# Altium PCB Calipso V2.0 REV2.0 (new origin).PcbDoc (part 4 of 5)
Units mm, origin at the board's own origin, x right, y up, seen from the top; angles counter-clockwise.
Board outline 192.5 x 156.5 mm, 2 copper layers (Top Layer, Bottom Layer); 458 components, 353 nets, 1610 pads, 1543 vias.
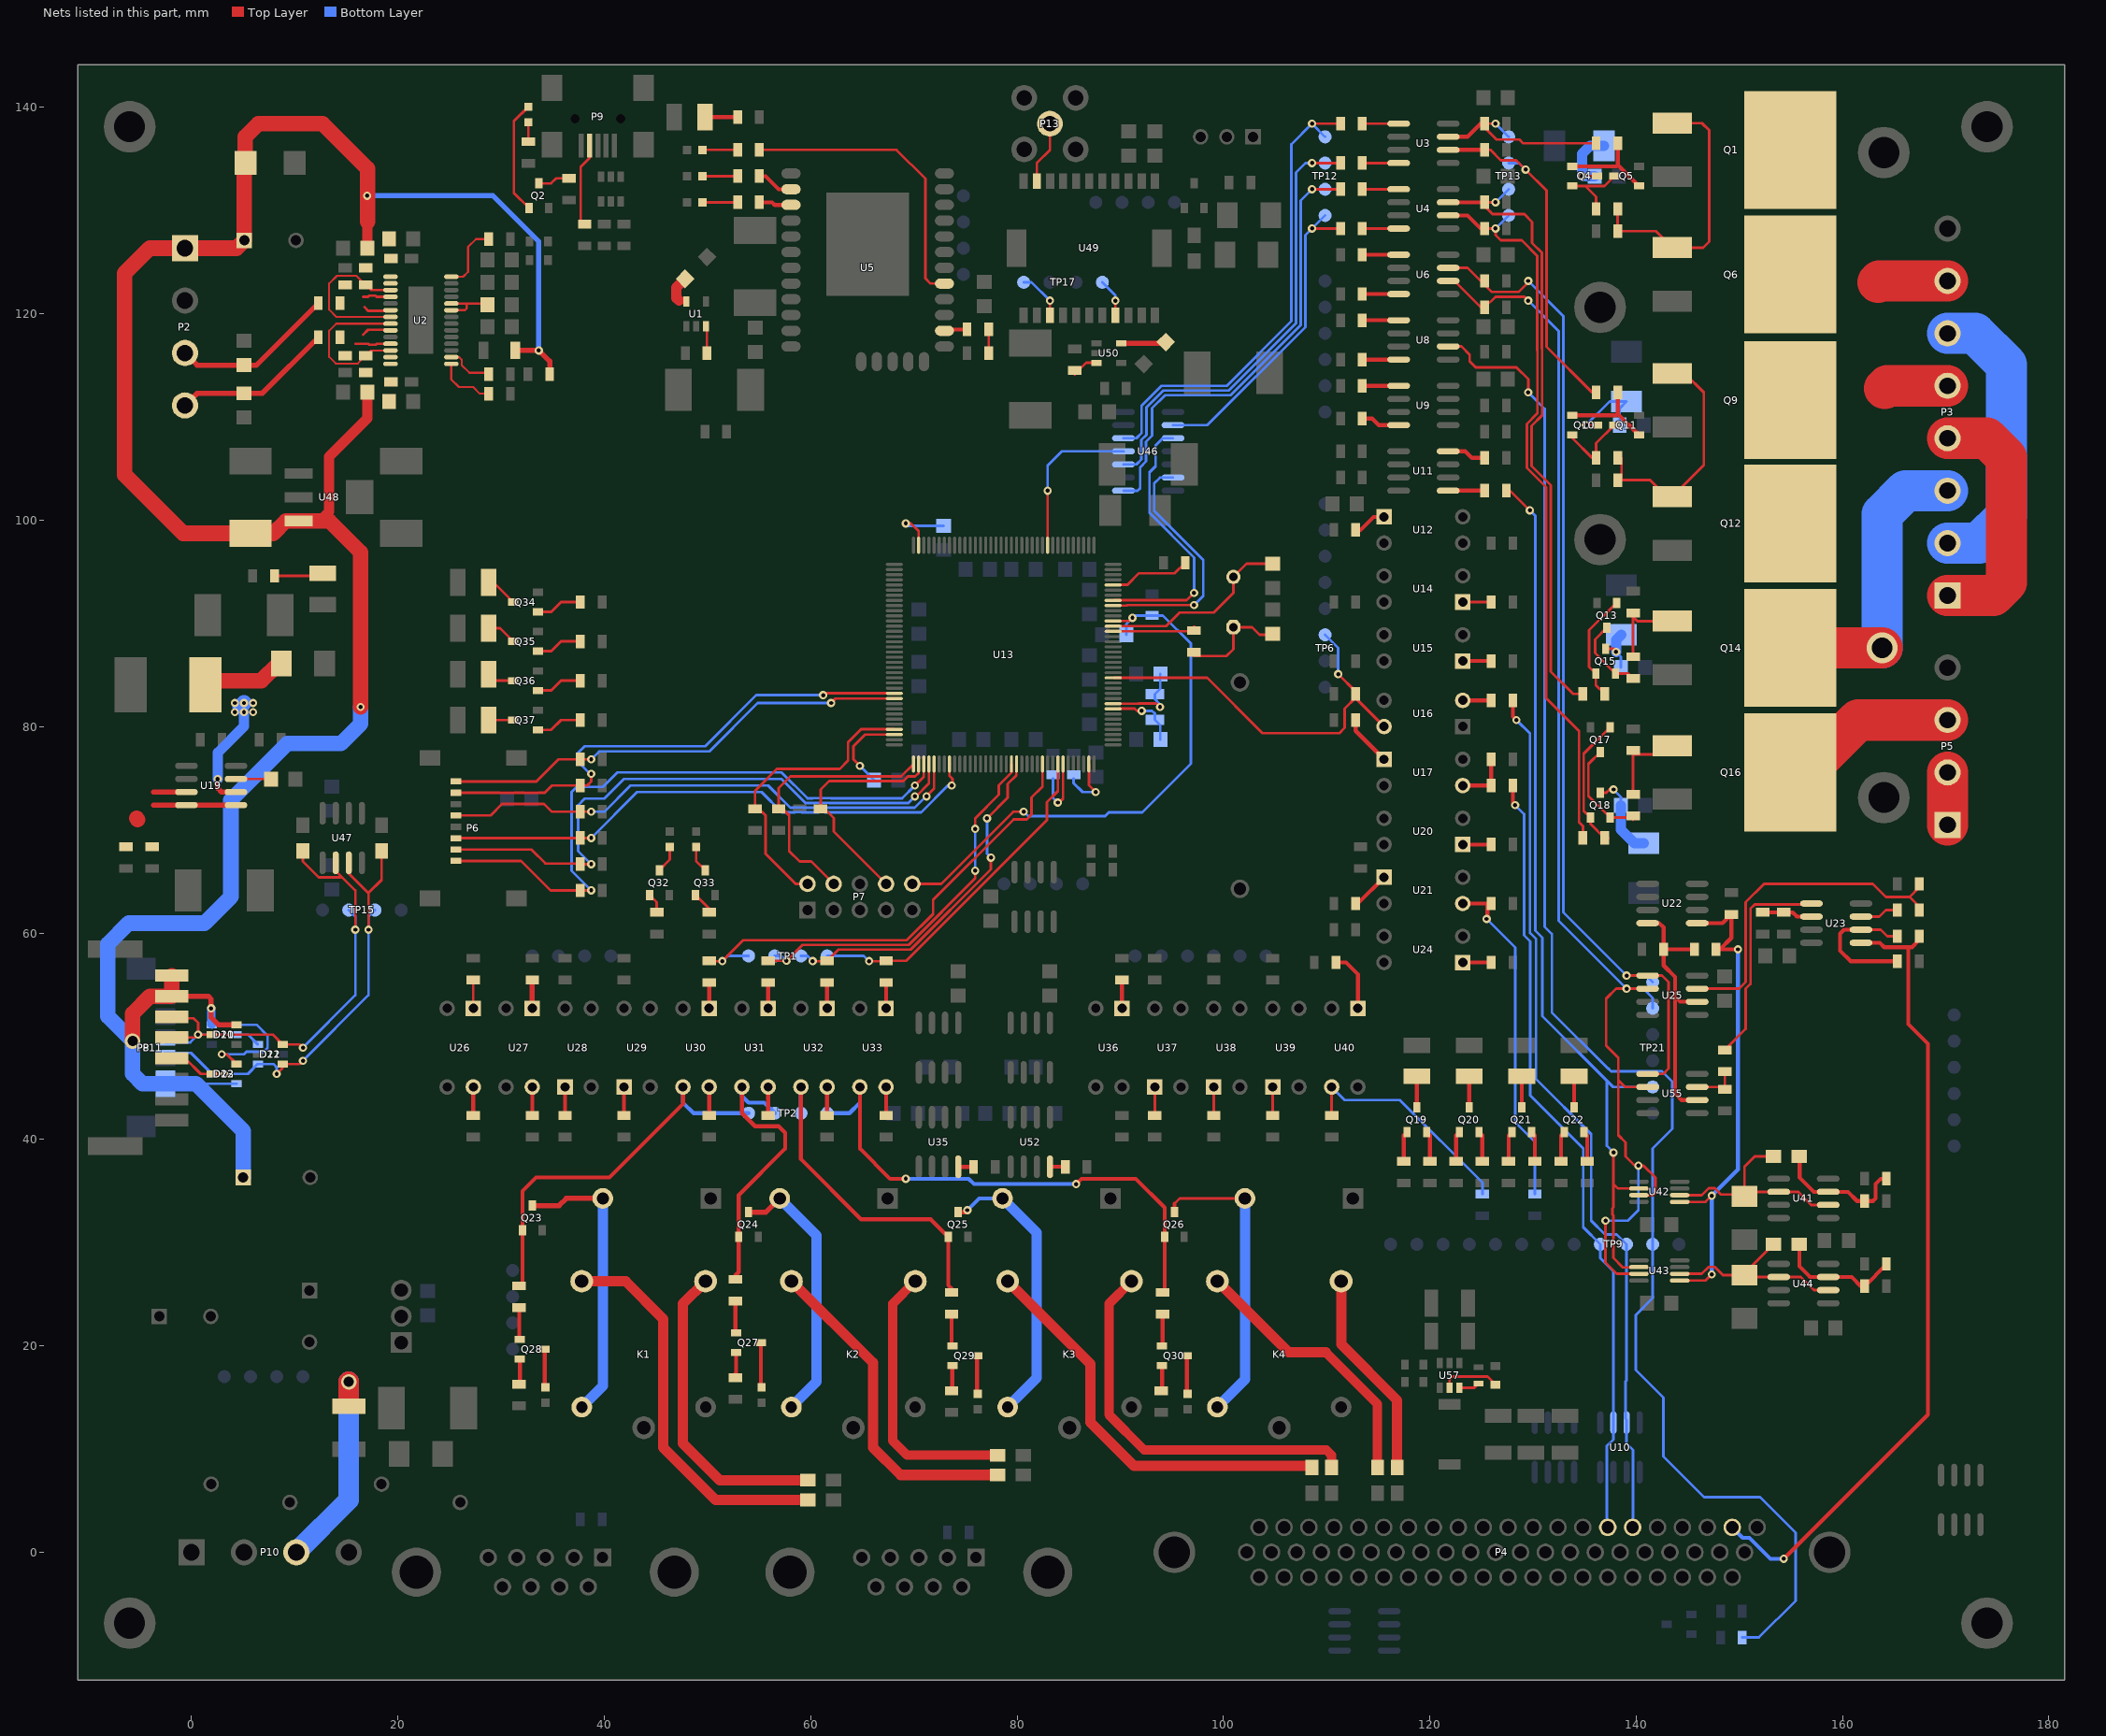
[diagram p4: the nets of this part, all layers, seen from the top]

## Via types
v1: diameter 0.8, hole 0.4, Top Layer to Bottom Layer, tented both sides, 1527 vias
v2: diameter 0.8, hole 0.4, Top Layer to Bottom Layer, 12 vias
v3: diameter 1.5, hole 1, Top Layer to Bottom Layer, 2 vias
v4: diameter 3, hole 2, Top Layer to Bottom Layer, 2 vias

## Nets (pads, with @x,y where several pads share a name; then routed paths per layer and width w, separated by ;. In a path a pad name is that pad's centre, name@x,y a point inside that pad or via, vN(x,y) a via of type N, cw(c..) or ccw(c..) an arc to the next point about the centre after c; other vN are vias at no path point) (continued)
LMP_SIMMER_ENABLE: P4.15 R61.2 TP9.3 U10.2 | length 76.3
  Top Layer w0.381: R61.2@128.05,74.295 128.05,72.61 v1(128.27,72.39)
  Bottom Layer w0.254: v1(128.27,72.39) 129.132,71.528 129.132,59.78 129.721,59.19 129.721,44.269 134.874,39.116 134.874,31.496 TP9.3@136.525,29.845 136.525,28.502 137.795,27.232 137.795,10.922 137.168,10.295 137.168,2.41 P4.15@137.242,2.41
LMP_SIMMER_SENSOR: P4.16 R52.2 TP9.4 U10.3 | length 85.8
  Top Layer w0.381: R52.2@128.05,82.55 128.05,80.992 v1(128.397,80.645) v1@128.425,80.673
  Bottom Layer w0.254: v1(128.397,80.645) 129.713,79.329 129.713,60.02 130.302,59.431 130.302,45.847 135.636,40.513 135.636,32.131 136.969,30.797 138.112,30.797 TP9.4@139.065,29.845 139.065,16.637 138.973,16.545 138.973,12.954 139.065,12.862 U10.3@139.065,12.56 139.065,10.541 139.692,9.914 139.692,2.41 P4.16@139.655,2.41
LMP_SIMSEN: R54.1 TP6.2 U13.14 U16.4 | length 39.5
  Top Layer w0.254: U13.14@89.34,84.745 98.417,84.745 103.787,79.375 111.252,79.375 111.76,79.883 111.76,81.76 R54.1@112.81,82.81 ; v1(111.125,85.09) 112.81,83.405 R54.1@112.81,83.185 R54.1@112.81,82.81 ; U16.4@115.57,80.01 112.81,82.77 R54.1@112.81,82.81
  Bottom Layer w0.254: TP6.2@109.855,88.9 111.125,87.63 v1(111.125,85.09)
LMP_VPROG: P4.20 R84.2 U23.1 | length 78.7
  Top Layer w0.384: v1(154.305,-0.635) 168.275,13.335 168.275,49.276 166.37,51.181 166.37,58.623 ; U23.1@161.735,59.055 U23.1@161.785,59.055 163.601,59.055 164.033,58.623 166.37,58.623 ; R84.2@167.42,59.69 167.42,59.315 166.728,58.623 166.37,58.623
  Bottom Layer w0.384: P4.20@149.225,2.492 P4.20@149.307,2.41 150.32,1.397 150.977,1.397 153.009,-0.635 v1(154.305,-0.635)
MCU_TDI: P7.8 R66.2 U13.110 | length 22.8
  Top Layer w0.254: P7.8@67.31,64.77 62.23,69.85 62.23,71.148 60.96,72.418 60.96,73.914 61.776,74.73 68.967,74.73 69.421,75.184 70.129,75.184 70.459,75.514 U13.110@70.459,76.383
MON_CLK: R22.1 TP21.2 U6.6 U25.2 U42.7 U43.7 U55.2 | length 130.1
  Top Layer w0.254: U6.6@121.78,123.19 122.4,123.19 124.94,120.65 125.349,120.65 126.365,121.666 129.159,121.666 v1(129.54,121.285) ; v1(137.033,32.131) 137.033,28.067 138.12,26.98 U43.7@140.265,26.98 ; U42.7@140.265,34.6 141.661,34.6 141.859,34.798 141.859,36.322 140.716,37.465 v1(140.208,37.465) 139.865,37.465 138.976,38.354 138.976,39.713 138.268,40.421 138.268,45.755 ; U55.2@141.11,45.085 138.938,45.085 138.268,45.755 ; U25.2@141.11,54.61 v1(139.065,54.61) 138.049,54.61 137.087,53.648 137.087,49.107 138.268,47.926 138.268,45.755
  Bottom Layer w0.254: v1(129.54,121.285) 132.5,118.325 132.5,61.175 v1(139.065,54.61) 140.716,54.61 141.605,53.721 TP21.2@141.605,52.705 ; v1(137.033,32.131) 139.192,32.131 140.208,33.147 v1(140.208,37.465)
MON_DOUT: R37.2 TP21.5 U42.6 U43.6 | length 97.6
  Top Layer w0.254: R37.2@127.79,102.87 v1(129.695,100.965) ; v1(137.795,38.735) 137.795,35.687 ; U43.6@140.265,27.63 140.229,27.594 138.719,27.594 137.795,28.518 137.795,32.627 137.703,32.719 137.703,33.321 137.795,33.413 137.795,35.687 ; U42.6@140.265,35.25 138.232,35.25 137.795,35.687
  Bottom Layer w0.254: v1(129.695,100.965) 130.23,100.43 130.23,60.235 130.918,59.547 130.918,51.936 ; v1(137.795,38.735) 137.146,39.384 137.146,45.708 130.918,51.936 ; TP21.5@141.605,45.085 137.769,45.085 130.918,51.936
MON_VREF: R77.1 R86.2 U22.1 U42.1 U43.1 | length 48.5
  Top Layer w0.254: U43.1@144.215,26.33 146.726,26.33 v1(147.32,26.924) ; U42.1@144.215,33.95 146.726,33.95 v1(147.32,34.544)
  Top Layer w0.384: U22.1@145.91,60.96 148.37,60.96 R77.1@149.225,61.815 149.225,59.535 148.11,58.42 v1(149.86,58.42)
  Bottom Layer w0.384: v1(147.32,26.924) v1(147.32,34.544) 149.86,37.084 v1(149.86,58.42)
NetBOOT1_1: BOOT1.1 R28.1 | length 2.3
  Top Layer w0.254: R28.1@77.25,116.205 BOOT1.1@77.25,118.491
NetBOOT1_2: BOOT1.2 U5.2 | length 2.2
  Top Layer w0.384: U5.2@72.967,118.364 73.094,118.491 BOOT1.2@75.15,118.491
NetC9_1: C9.1 U2.17 U2.21 | length 15.6
  Top Layer w0.2: U2.21@19.275,119.705 14.026,119.705 13.335,120.396 13.335,122.936 14.097,123.698 15.986,123.698 C9.1@16.875,122.809 17.379,122.305 U2.17@19.275,122.305
NetC9_2: C9.2 FB1.1 U2.18 U2.20 | length 5.4
  Top Layer w0.254: 16.637,121.666 17.133,121.666 17.225,121.758 17.827,121.758 17.93,121.655 U2.18@19.275,121.655 ; 16.764,120.65 17.11,120.304 19.275,120.304 U2.20@19.275,120.355
NetC15_1: C15.1 FB1.2 P2.3 | length 15.9
  Top Layer w0.5: P2.3@-0.635,116.205 0.54,115.03 C15.1@5.08,115.03 6.284,115.03 FB1.2@12.285,121.031
NetC18_1: C18.1 U2.22 U2.26 | length 15.5
  Top Layer w0.2: U2.26@19.275,116.455 17.379,116.455 C18.1@16.875,115.951 16.113,115.189 13.97,115.189 13.335,115.824 13.335,118.364 14.026,119.055 U2.22@19.275,119.055
NetC18_2: C18.2 FB2.1 U2.23 U2.25 | length 6.4
  Top Layer w0.254: 15.875,117.094 17.133,117.094 17.225,117.002 17.827,117.002 17.93,117.105 U2.25@19.275,117.105 ; 16.637,117.983 17.11,118.456 19.275,118.456 U2.23@19.275,118.405
NetC20_1: C20.1 FB2.2 P2.4 | length 15.7
  Top Layer w0.5: P2.4@-0.635,111.125 0.54,112.3 C20.1@5.08,112.3 6.856,112.3 FB2.2@12.285,117.729
NetC23_2: C23.2 U13.24 X1.2 | length 18.9
  Top Layer w0.254: U13.24@89.34,89.745 94.43,89.745 95.744,91.059 96.85,91.059 96.854,91.055 99.056,91.055 100.965,92.964 X1.2@100.965,94.515 102.24,95.79 C23.2@104.775,95.79
NetC24_2: C24.2 R45.2 X1.1 | length 10.4
  Top Layer w0.254: R45.2@97.155,86.84 100.302,86.84 100.965,87.503 X1.1@100.965,89.635 102.77,89.635 103.505,88.9 104.68,88.9 C24.2@104.775,88.995
NetC42_2: C42.2 L6.2 Q4.3 | length 7.3
  Top Layer w0.254: v1(134.747,133.35) Q4.3@136.201,133.35
  Bottom Layer w1: C42.2@135.985,133.35 v1(134.747,133.35) 134.747,135.509 135.509,136.271 L6.2@136.898,136.271
NetC43_2: C43.2 L7.1 Q10.3 | length 8.5
  Top Layer w0.254: v1(135.128,109.22) Q10.3@136.201,109.22
  Bottom Layer w0.254: v1(135.128,109.22) 137.422,111.514 L7.1@139.065,111.514 138.398,110.847 C43.2@138.398,109.22
NetC44_1: C44.1 U13.71 | length 6.7
  Top Layer w0.254: v1(69.215,99.695) 69.723,99.695 70.459,98.959 U13.71@70.459,97.583
  Bottom Layer w0.254: v1(69.215,99.695) 69.437,99.473 C44.1@72.898,99.473
NetC53_2: C53.2 L8.1 Q18.3 | length 8.3
  Top Layer w0.254: Q18.3@136.525,73.59 137.09,73.59 137.414,73.914 v1(137.795,73.914)
  Bottom Layer w0.254: v1(137.795,73.914) 138.525,73.184 C53.2@138.525,72.39
  Bottom Layer w1: C53.2@138.525,72.39 138.525,70.009 139.835,68.699 L8.1@140.716,68.699
NetC59_1: C59.1 U13.106 | length 8.6
  Top Layer w0.254: v1(64.77,76.2) 64.135,76.835 64.135,78.105 65.263,79.233 U13.106@68.109,79.233
  Bottom Layer w0.254: v1(64.77,76.2) 66.135,74.835 C59.1@66.135,74.803
NetC61_2: C61.2 L9.1 Q15.3 | length 4.8
  Top Layer w0.254: Q15.3@137.033,87.56 137.865,87.56 138.049,87.376 v1(138.049,87.249)
  Bottom Layer w0.254: v1(138.049,87.249) 138.525,86.773 C61.2@138.525,85.725
  Bottom Layer w1: v1(138.049,87.249) 138.049,88.4 L9.1@138.557,88.908
NetC70_2: C70.2 U13.8 X2.1 | length 6.4
  Top Layer w0.254: U13.8@89.916,81.756 91.41,81.756 91.632,81.534 v1(92.075,81.534)
  Bottom Layer w0.254: v1(92.075,81.534) 93.091,81.534 93.345,81.28 X2.1@93.345,80.665 93.885,80.125 C70.2@93.885,78.74
NetC71_2: C71.2 U13.9 X2.2 | length 8.3
  Top Layer w0.254: U13.9@89.309,82.233 91.746,82.233 91.774,82.261 93.507,82.261 v1(93.853,81.915)
  Bottom Layer w0.254: v1(93.853,81.915) 93.853,82.169 93.345,82.677 X2.2@93.345,83.165 93.885,83.705 C71.2@93.885,85.09
NetC76_1: C76.1 U2.9 U2.10 | length 5.6
  Top Layer w0.2: U2.9@25.175,120.355 26.502,120.355 26.67,120.523 26.67,121.005 ; U2.10@25.175,121.005 26.67,121.005 ; C76.1@28.67,120.904 28.569,121.005 26.67,121.005
NetC85_2: C85.2 U57.6 | length 2
  Top Layer w0.254: U57.6@122.87,15.945 124.314,15.945 C85.2@124.714,16.345
NetD13_1: D13.1 J7.0 U41.2 U41.6 U42.2 | length 21.8
  Top Layer w0.254: U42.2@144.215,34.6 146.348,34.6 147.019,35.271 147.621,35.271 148.221,34.671 150.309,34.671 D13.1@150.495,34.485 ; J7.0@153.309,38.354 151.491,38.354 150.495,37.358 D13.1@150.495,34.485 ; U41.2@158.61,33.655 156.972,33.655 155.702,34.925 U41.6@153.81,34.925 150.935,34.925 D13.1@150.495,34.485
NetD14_1: D14.1 J6.1 U43.2 U44.2 U44.6 | length 19.8
  Top Layer w0.254: U43.2@144.215,26.98 146.348,26.98 147.019,27.651 147.621,27.651 148.407,26.865 D14.1@150.495,26.865 ; J6.1@153.309,29.845 150.495,27.031 D14.1@150.495,26.865 ; U44.2@158.61,25.4 157.226,25.4 155.956,26.67 U44.6@153.81,26.67 150.69,26.67 D14.1@150.495,26.865
NetD15_1: D15.1 K1.2 Q23.3 | length 28.2
  Top Layer w0.5: Q23.3@33.02,33.585 35.617,33.585 36.322,34.29 D15.1@39.855,34.29
  Bottom Layer w1: K1.2@37.815,14.065 39.855,16.105 D15.1@39.855,34.29
NetD16_1: D16.1 K2.2 Q24.3 | length 26.7
  Top Layer w0.5: Q24.3@53.975,32.95 55.66,32.95 D16.1@57,34.29 ; D16.1@57.265,34.024 D16.1@57.531,34.29
  Bottom Layer w1: D16.1@57,34.29 60.579,30.711 60.579,16.509 K2.2@58.135,14.065
NetD17_1: D17.1 K3.2 Q25.3 | length 27.8
  Top Layer w0.384: Q25.3@74.295,32.95 75.241,32.95 75.241,33.09 v1(75.184,33.147)
  Bottom Layer w0.384: v1(75.184,33.147) 76.327,34.29 D17.1@78.59,34.29
  Bottom Layer w1: D17.1@78.59,34.29 81.915,30.965 81.915,16.89 K3.2@79.09,14.065
NetD18_1: D18.1 K4.2 Q26.3 | length 29.2
  Top Layer w0.254: 95.25,33.782 95.758,34.29 D18.1@102.085,34.29
  Top Layer w0.384: Q26.3@95.25,32.95 95.25,33.782
  Bottom Layer w1: K4.2@99.41,14.065 102.085,16.74 D18.1@102.085,34.29
NetF2_2: F2.2 P10.3 | length 20.1
  Top Layer w2: 15.24,14.986 v3(15.24,16.51)
  Bottom Layer w2: P10.3@10.16,0 15.24,5.08 v3(15.24,16.51)
NetJ6_0: J6.0 R121.1 R130.2 U44.3 | length 12.3
  Top Layer w0.384: J6.0@155.809,29.845 155.809,27.706 156.845,26.67 U44.3@158.61,26.67 160.881,26.67 161.77,25.781 R130.2@162.145,25.781 164.245,27.881 R121.1@164.245,27.94
NetJ7_1: J7.1 R104.1 R105.2 U41.3 | length 12.7
  Top Layer w0.384: J7.1@155.829,38.354 155.829,36.322 157.226,34.925 U41.3@158.61,34.925 160.528,34.925 161.417,34.036 R105.2@161.77,34.036 ; R105.2@162.145,34.036 162.941,34.036 163.195,34.29 163.195,35.687 163.703,36.195 R104.1@164.245,36.195
NetJ10_0: J10.0 K1.3 | length 38
  Top Layer w1: K1.3@37.815,26.265 42.061,26.265 45.72,22.606 45.72,10.16 50.8,5.08 J10.0@59.71,5.08
NetJ11_0: J11.0 K1.4 | length 30.2
  Top Layer w1: K1.4@49.815,26.265 47.625,24.075 47.625,10.541 51.181,6.985 J11.0@59.71,6.985
NetJ12_0: J12.0 K2.3 | length 32.6
  Top Layer w1: K2.3@58.135,26.265 66.04,18.36 66.04,10.16 68.707,7.493 J12.0@78.125,7.493
NetJ13_0: J13.0 K2.4 | length 27.1
  Top Layer w0.9: K2.4@70.135,26.265 67.945,24.075 67.945,10.795 69.342,9.398 J13.0@78.125,9.398
NetJ14_0: J14.0 K3.3 | length 40.4
  Top Layer w1: K3.3@79.09,26.265 87.122,18.233 87.122,12.573 91.306,8.389 108.585,8.389 J14.0@108.585,8.235
NetJ15_0: J15.0 K3.4 | length 37.6
  Top Layer w0.9: K3.4@91.09,26.265 88.9,24.075 88.9,13.335 92.329,9.906 109.982,9.906 110.49,9.398 J15.0@110.49,8.87
NetJ16_0: J16.0 K4.3 | length 26.6
  Top Layer w0.9: 109.918,19.367 114.935,14.351 J16.0@114.935,8.235
  Top Layer w1: K4.3@99.41,26.265 106.307,19.367 109.918,19.367
NetJ17_0: J17.0 K4.4 | length 20.3
  Top Layer w1: K4.4@111.41,26.265 111.41,20.162 116.84,14.732 J17.0@116.84,8.235
NetL1_2: L1.2 U1.5 | length 2.6
  Top Layer w1: 47.244,121.285 46.99,121.539 46.99,122.555 L1.2@47.834,123.399
NetL10_2: L10.2 U50.5 | length 4.4
  Top Layer w0.5: U50.5@90.1,117.155 94.295,117.155 L10.2@94.406,117.266
NetLED1_1: LED1.1 Q32.3 | length 2.7
  Top Layer w0.254: Q32.3@45.339,66.097 46.355,67.113 LED1.1@46.355,68.338
NetLED2_1: LED2.1 Q33.3 | length 2.6
  Top Layer w0.254: LED2.1@48.895,68.338 48.895,66.986 Q33.3@49.784,66.097
NetLED3_2: LED3.2 Q19.3 | length 3
  Top Layer w0.384: Q19.3@118.745,43.11 LED3.2@118.745,46.125
NetLED4_2: LED4.2 Q20.3 | length 3
  Top Layer w0.384: Q20.3@123.825,43.11 LED4.2@123.825,46.125
NetLED5_2: LED5.2 Q21.3 | length 3
  Top Layer w0.384: Q21.3@128.905,43.11 LED5.2@128.905,46.125
NetLED6_2: LED6.2 Q22.3 | length 3
  Top Layer w0.384: Q22.3@133.985,43.11 LED6.2@133.985,46.125
NetLED7_1: LED7.1 Q28.3 | length 3.7
  Top Layer w0.384: Q28.3@34.22,19.685 34.22,16.06 LED7.1@34.29,15.99
NetLED8_1: LED8.1 Q27.3 | length 4.4
  Top Layer w0.384: Q27.3@55.175,20.32 55.175,16.06 LED8.1@55.245,15.99
NetLED9_1: LED9.1 Q29.3 | length 3.7
  Top Layer w0.384: Q29.3@76.13,19.05 76.13,15.425 LED9.1@76.2,15.355
NetLED10_1: LED10.1 Q30.3 | length 3.6
  Top Layer w0.384: LED10.1@96.45,15.425 Q30.3@96.45,19.05
NetLED11_1: LED11.1 Q34.3 | length 3.2
  Top Layer w0.254: LED11.1@28.805,93.98 29.28,93.98 Q34.3@31.185,92.075
NetLED12_1: LED12.1 Q35.3 | length 2.9
  Top Layer w0.254: LED12.1@28.805,89.535 29.915,89.535 Q35.3@31.185,88.265
NetLED13_1: LED13.1 Q36.3 | length 2.4
  Top Layer w0.254: LED13.1@28.805,84.455 Q36.3@31.185,84.455
NetLED14_1: LED14.1 Q37.3 | length 2.4
  Top Layer w0.254: LED14.1@28.805,80.645 Q37.3@31.185,80.645
NetLED15_1: LED15.1 Q2.1 | length 11
  Top Layer w0.254: LED15.1@32.639,140.069 31.242,138.672 31.242,131.708 Q2.1@32.705,130.245
NetLED15_2: LED15.2 R161.2 | length 1.9
  Top Layer w0.254: R161.2@32.639,136.686 LED15.2@32.639,138.569
NetLINK1_1: LINK1.1 R6.2 | length 3.4
  Top Layer w0.254: LINK1.1@49.518,130.81 R6.2@52.925,130.81
NetP3_1: P3.1 P3.4 | length 24.8
  Top Layer w4: P3.1@170.18,92.71 174.625,92.71 175.895,93.98 175.895,106.045 173.99,107.95 P3.4@170.18,107.95
NetP3_2: P3.2 P3.6 | length 28.4
  Bottom Layer w4: P3.2@170.18,97.79 173.228,97.79 175.895,100.457 175.895,115.062 172.847,118.11 P3.6@170.18,118.11
NetP3_3: P3.3 Q14.2 | length 31.3
  Top Layer w4: Q14.2@154.94,90.551 154.94,88.9 156.21,87.63 v4(163.83,87.63)
  Bottom Layer w4: v4(163.83,87.63) 163.83,100.584 166.116,102.87 P3.3@170.18,102.87
NetP3_5: P3.5 Q9.2 Q12.2 | length 6.2
  Top Layer w4: 164.084,112.776 164.338,113.03 P3.5@170.18,113.03
NetP3_7: P3.7 Q1.2 Q6.2 | length 6.8
  Top Layer w4: 163.449,123.063 163.576,123.19 P3.7@170.18,123.19
NetP5_1: P5.1 P5.2 | length 5.1
  Top Layer w4: P5.1@170.18,70.485 P5.2@170.18,75.565
NetP5_3: P5.3 Q16.2 | length 17.3
  Top Layer w4: Q16.2@154.94,75.565 156.435,75.565 161.515,80.645 P5.3@170.18,80.645
NetP9_4: P9.4 R165.2 | length 8.1
  Top Layer w0.254: R165.2@38.1,128.685 37.719,129.066 37.719,134.239 38.57,135.09 P9.4@38.57,136.295
NetP13_1: P13.1 U49.21 | length 6.1
  Top Layer w0.254: U49.21@81.915,132.865 81.915,134.62 83.185,135.89 P13.1@83.185,138.43
NetPWR1_1: PWR1.1 R7.2 | length 3.4
  Top Layer w0.254: PWR1.1@49.518,133.35 R7.2@52.925,133.35
NetQ1_1: Q1.1 Q6.1 R15.1 R18.2 | length 26.6
  Top Layer w0.254: R15.1@138.21,130.175 R18.2@138.21,128.016 141.914,128.016 Q6.1@143.51,126.42 146.486,126.42 147.066,127 147.066,137.795 146.376,138.485 Q1.1@143.51,138.485 Q1.1@143.438,138.485
NetQ2_3: Q2.3 R162.1 | length 3.1
  Top Layer w0.254: Q2.3@33.655,132.645 34.855,132.645 35.34,133.13 R162.1@36.576,133.13
NetQ4_1: Q4.1 Q5.1 R4.2 | length 9.4
  Top Layer w0.384: Q4.1@133.801,134.3 138.055,134.3 138.21,134.455 ; R4.2@138.21,136.525 138.21,134.455 ; Q5.1@140.265,132.4 138.21,134.455
NetQ4_2: Q4.2 Q5.3 R15.2 | length 7.1
  Top Layer w0.254: Q4.2@133.801,132.4 135.062,132.4 ; R15.2@136.11,130.175 136.11,131.352 135.062,132.4 ; Q5.3@137.865,133.35 136.915,132.4 135.062,132.4
NetQ9_1: Q9.1 Q12.1 R34.1 R36.2 | length 22.9
  Top Layer w0.254: R34.1@138.585,106.045 138.585,103.886 141.351,103.886 142.947,102.29 Q12.1@143.51,102.29 146.558,105.338 146.558,112.395 144.725,114.228 Q9.1@143.51,114.228
NetQ10_1: Q10.1 Q11.1 R27.1 | length 9.4
  Top Layer w0.384: Q10.1@133.801,110.17 138.055,110.17 138.21,110.325 ; R27.1@138.21,112.395 138.21,110.325 ; Q11.1@140.265,108.27 138.21,110.325
NetQ10_2: Q10.2 Q11.3 R34.2 | length 6.9
  Top Layer w0.254: Q10.2@133.801,108.27 133.801,107.979 R34.2@135.735,106.045 ; R34.2@136.11,106.045 136.11,107.465 Q11.3@137.865,109.22
NetQ13_1: Q13.1 Q15.1 R49.1 | length 10.5
  Top Layer w0.254: R49.1@136.94,83.185 136.083,84.042 Q15.1@136.083,85.16 135.448,85.795 135.448,89.343 Q13.1@138.11,92.005
NetQ13_3: Q13.3 Q15.2 R46.2 | length 7.7
  Top Layer w0.254: Q13.3@137.16,89.605 136.017,88.462 136.017,87.126 Q15.2@137.983,85.16 139.215,85.16 R46.2@139.7,84.675
NetQ14_1: Q14.1 R42.2 R46.1 | length 7.5
  Top Layer w0.254: R46.1@139.7,87.15 139.7,90.65 140.125,90.225 Q14.1@143.51,90.225
NetQ16_1: Q16.1 R53.2 R62.1 | length 7.7
  Top Layer w0.254: R62.1@139.7,73.815 139.7,77.315 142.665,77.315 Q16.1@143.51,78.16
NetQ17_1: Q17.1 Q18.1 R69.2 | length 12.9
  Top Layer w0.254: R69.2@136.94,69.215 135.575,70.58 Q18.1@135.575,71.19 134.919,71.846 134.919,77.384 Q17.1@137.475,79.94 ; R69.2@137.127,69.403 R69.2@137.315,69.215
NetQ17_3: Q17.3 Q18.2 R62.2 | length 10
  Top Layer w0.254: Q17.3@136.525,77.54 135.373,76.388 135.373,73.292 Q18.2@137.475,71.19 139.475,71.19 R62.2@139.7,70.965
NetQ19_1: Q19.1 R122.2 | length 2.6
  Top Layer w0.384: R122.2@117.475,38.255 117.475,40.39 Q19.1@117.795,40.71
NetQ19_2: Q19.2 R123.1 | length 2.6
  Top Layer w0.384: Q19.2@119.695,40.71 120.015,40.39 R123.1@120.015,38.255